# Altium PCB Copy of Board.PcbDoc (part 2 of 4)
Units mm, origin at the board's own origin, x right, y up, seen from the top; angles counter-clockwise.
Board outline 69.6 x 30 mm, 6 copper layers (Top Layer, Int1 (GND), Int2 (Sign), Int3 (Sign), Int4 (PWR), Bottom Layer), stack 1.538 mm thick; 168 components, 266 nets, 1359 pads, 531 vias.
Unrouted connection lines stored in the file: 254.
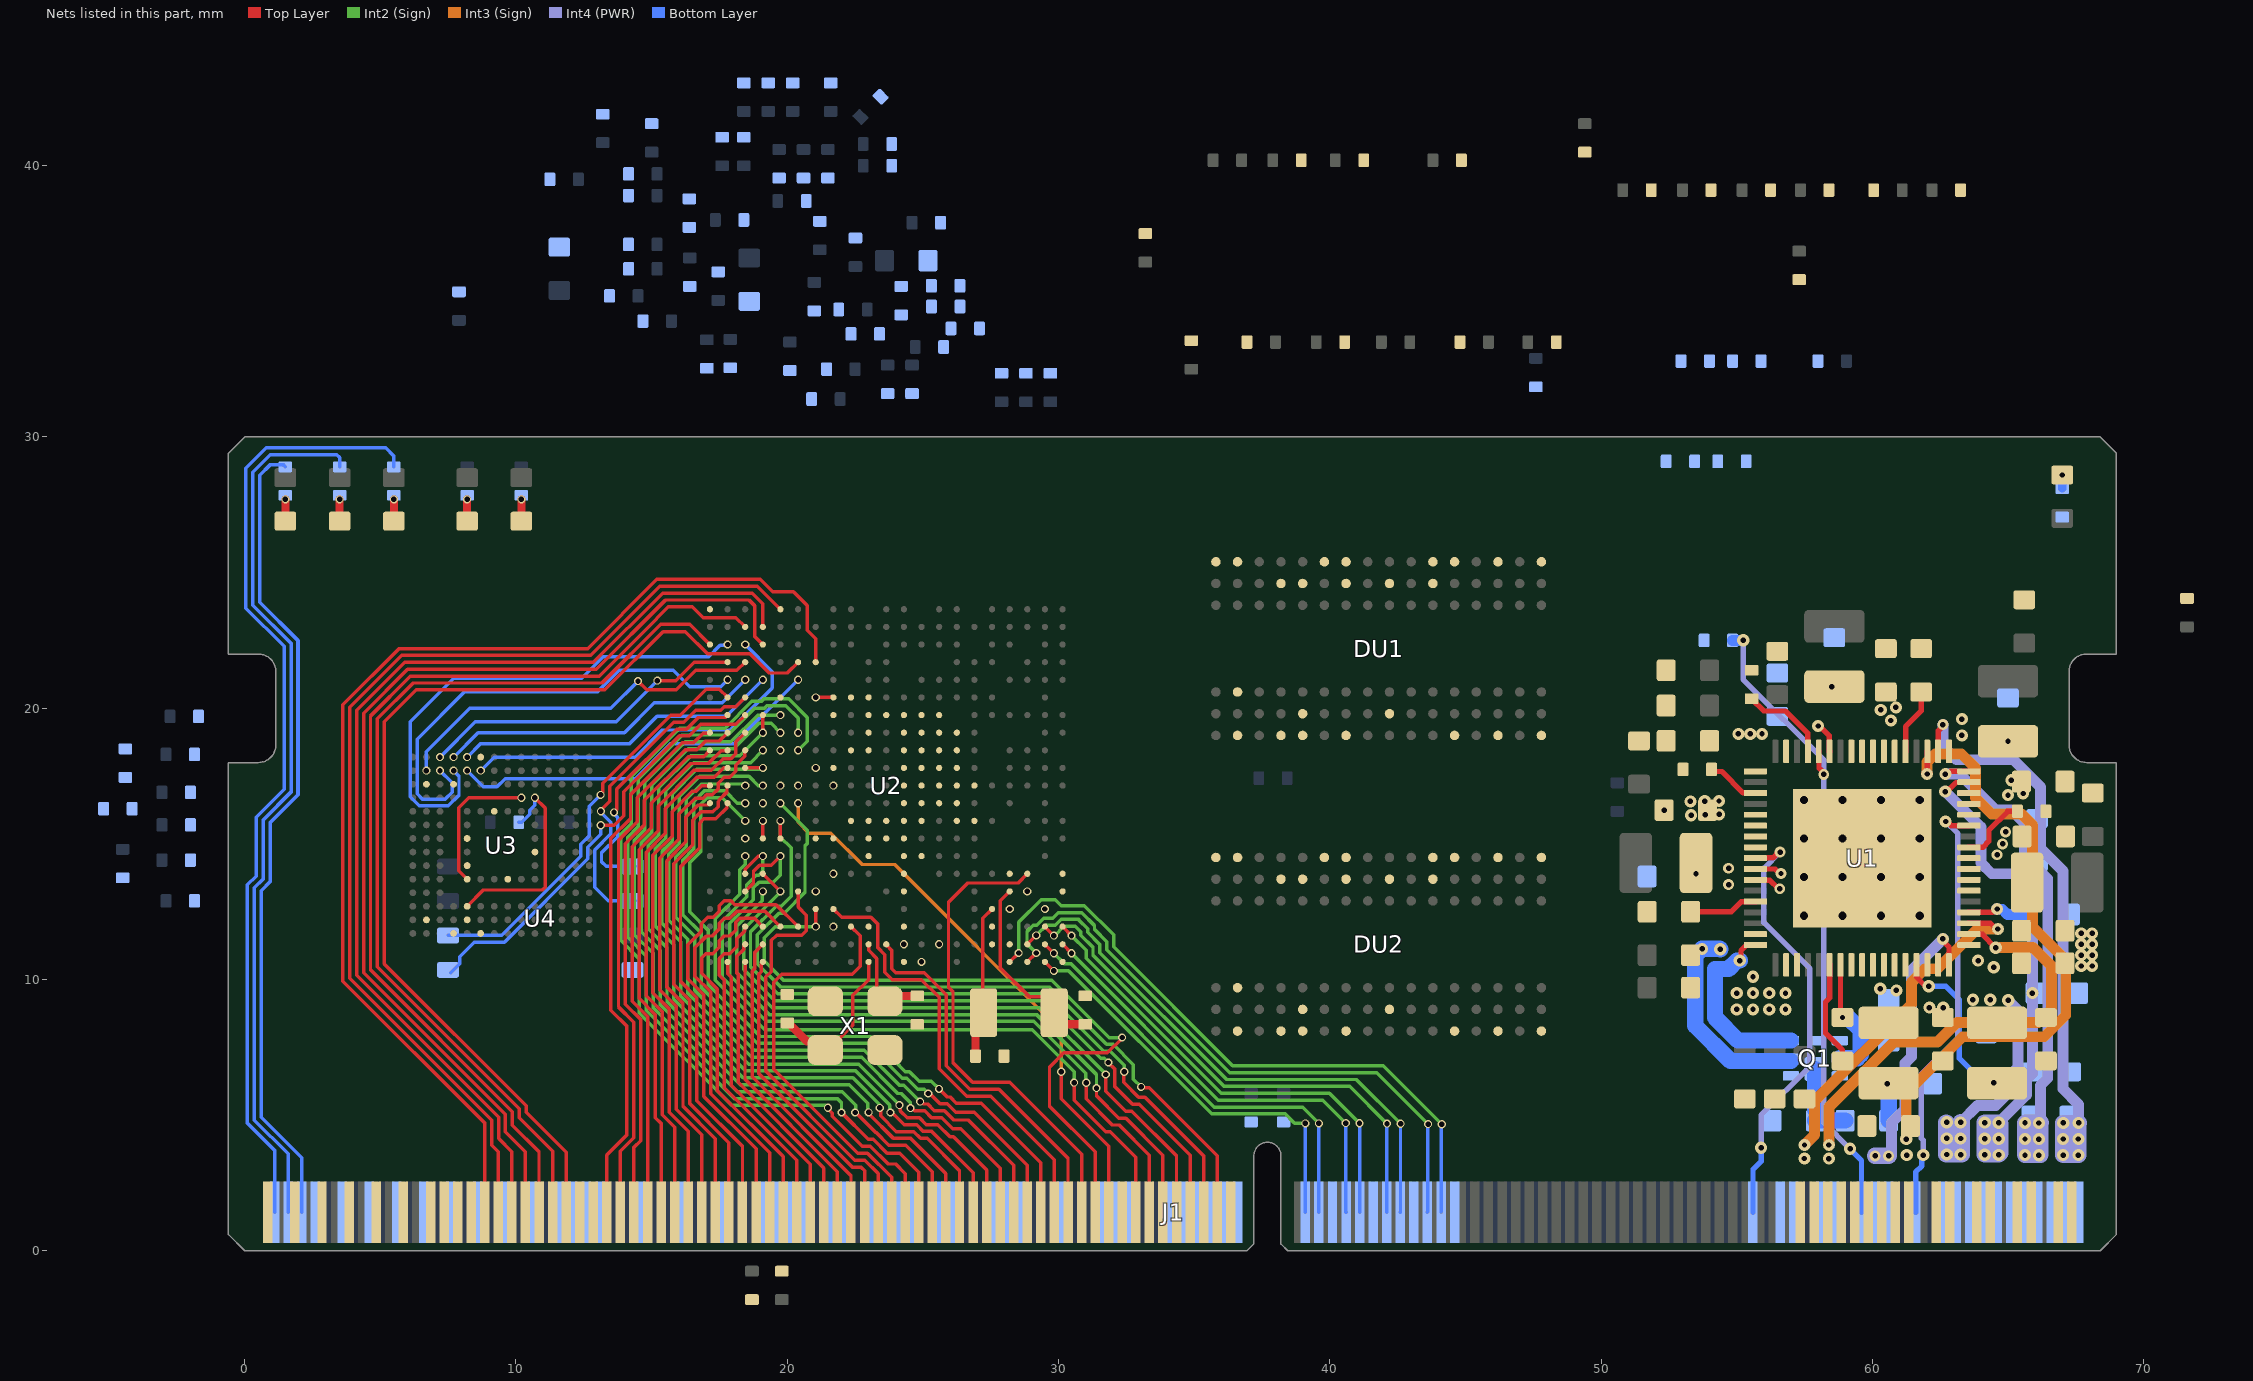
[diagram p5: the nets of this part, all layers, seen from the top]

## Footprints (in the part's own frame and the unit in brackets; to place one, negate y for a bottom-side part, rotate by r counter-clockwise, add the part's x,y. Pads: shape width x height; smd on the part's side, far side on the other; paste and mask are expansions set on the pad) (continued)
H3_FBGA327 [mm]
  round 0.23 smd mask+0: A1(0,0) A2(0.65,0) A3(1.3,0) A4(1.95,0) A5(2.6,0) A7(3.9,0) A8(4.55,0) A10(5.85,0) A11(6.5,0) A13(7.8,0) A14(8.45,0) A16(9.75,0) A17(10.4,0) A19(11.7,0) A20(12.35,0) A21(13,0) AA1(0,-13) AA2(0.65,-13) AA3(1.3,-13) AA5(2.6,-13) AA6(3.25,-13) AA8(4.55,-13) AA9(5.2,-13) AA11(6.5,-13) AA12(7.15,-13) AA14(8.45,-13) AA15(9.1,-13) AA17(10.4,-13) AA18(11.05,-13) AA19(11.7,-13) AA20(12.35,-13) AA21(13,-13) B1(0,-0.65) B2(0.65,-0.65) B3(1.3,-0.65) B4(1.95,-0.65) B5(2.6,-0.65) B6(3.25,-0.65) B7(3.9,-0.65) B8(4.55,-0.65) B9(5.2,-0.65) B10(5.85,-0.65) B11(6.5,-0.65) B12(7.15,-0.65) B13(7.8,-0.65) B14(8.45,-0.65) B15(9.1,-0.65) B16(9.75,-0.65) B17(10.4,-0.65) B18(11.05,-0.65) B19(11.7,-0.65) B20(12.35,-0.65) B21(13,-0.65) C1(0,-1.3) C2(0.65,-1.3) C3(1.3,-1.3) C5(2.6,-1.3) C6(3.25,-1.3) C7(3.9,-1.3) C8(4.55,-1.3) C9(5.2,-1.3) C10(5.85,-1.3) C11(6.5,-1.3) C12(7.15,-1.3) C13(7.8,-1.3) C14(8.45,-1.3) C15(9.1,-1.3) C16(9.75,-1.3) C17(10.4,-1.3) C18(11.05,-1.3) C19(11.7,-1.3) C20(12.35,-1.3) C21(13,-1.3) D1(0,-1.95) D2(0.65,-1.95) D3(1.3,-1.95) D5(2.6,-1.95) D6(3.25,-1.95) D8(4.55,-1.95) D10(5.85,-1.95) D11(6.5,-1.95) D13(7.8,-1.95) D15(9.1,-1.95) D17(10.4,-1.95) D19(11.7,-1.95) D20(12.35,-1.95) E2(0.65,-2.6) E3(1.3,-2.6) E8(4.55,-2.6) E10(5.85,-2.6) E11(6.5,-2.6) E13(7.8,-2.6) E14(8.45,-2.6) E15(9.1,-2.6) E16(9.75,-2.6) E18(11.05,-2.6) E19(11.7,-2.6) E20(12.35,-2.6) E21(13,-2.6) F1(0,-3.25) F2(0.65,-3.25) F3(1.3,-3.25) F5(2.6,-3.25) F6(3.25,-3.25) F7(3.9,-3.25) F8(4.55,-3.25) F10(5.85,-3.25) F11(6.5,-3.25) F13(7.8,-3.25) F14(8.45,-3.25) F16(9.75,-3.25) F17(10.4,-3.25) F18(11.05,-3.25) F19(11.7,-3.25) F20(12.35,-3.25) F21(13,-3.25) G1(0,-3.9) G2(0.65,-3.9) G4(1.95,-3.9) G5(2.6,-3.9) G7(3.9,-3.9) G8(4.55,-3.9) G9(5.2,-3.9) G10(5.85,-3.9) G11(6.5,-3.9) G12(7.15,-3.9) G13(7.8,-3.9) G14(8.45,-3.9) G15(9.1,-3.9) G18(11.05,-3.9) G20(12.35,-3.9) H2(0.65,-4.55) H3(1.3,-4.55) H4(1.95,-4.55) H6(3.25,-4.55) H7(3.9,-4.55) H8(4.55,-4.55) H10(5.85,-4.55) H11(6.5,-4.55) H12(7.15,-4.55) H13(7.8,-4.55) H14(8.45,-4.55) H15(9.1,-4.55) H16(9.75,-4.55) H17(10.4,-4.55) H18(11.05,-4.55) H19(11.7,-4.55) H20(12.35,-4.55) H21(13,-4.55) J1(0,-5.2) J2(0.65,-5.2) J3(1.3,-5.2) J6(3.25,-5.2) J7(3.9,-5.2) J8(4.55,-5.2) J9(5.2,-5.2) J10(5.85,-5.2) J11(6.5,-5.2) J12(7.15,-5.2) J13(7.8,-5.2) J14(8.45,-5.2) J15(9.1,-5.2) J16(9.75,-5.2) J19(11.7,-5.2) J20(12.35,-5.2) J21(13,-5.2) K1(0,-5.85) K2(0.65,-5.85) K3(1.3,-5.85) K4(1.95,-5.85) K6(3.25,-5.85) K7(3.9,-5.85) K8(4.55,-5.85) K9(5.2,-5.85) K10(5.85,-5.85) K11(6.5,-5.85) K12(7.15,-5.85) K13(7.8,-5.85) K14(8.45,-5.85) K15(9.1,-5.85) K16(9.75,-5.85) K17(10.4,-5.85) K18(11.05,-5.85) K20(12.35,-5.85) L2(0.65,-6.5) L5(2.6,-6.5) L8(4.55,-6.5) L9(5.2,-6.5) L10(5.85,-6.5) L11(6.5,-6.5) L12(7.15,-6.5) L13(7.8,-6.5) L14(8.45,-6.5) L15(9.1,-6.5) L16(9.75,-6.5) L17(10.4,-6.5) L18(11.05,-6.5) L19(11.7,-6.5) L20(12.35,-6.5) L21(13,-6.5) M1(0,-7.15) M2(0.65,-7.15) M3(1.3,-7.15) M4(1.95,-7.15) M5(2.6,-7.15) M6(3.25,-7.15) M7(3.9,-7.15) M8(4.55,-7.15) M9(5.2,-7.15) M10(5.85,-7.15) M11(6.5,-7.15) M12(7.15,-7.15) M13(7.8,-7.15) M14(8.45,-7.15) M15(9.1,-7.15) M16(9.75,-7.15) M19(11.7,-7.15) M20(12.35,-7.15) M21(13,-7.15) N1(0,-7.8) N2(0.65,-7.8) N3(1.3,-7.8) N7(3.9,-7.8) N8(4.55,-7.8) N9(5.2,-7.8) N10(5.85,-7.8) N11(6.5,-7.8) N12(7.15,-7.8) N13(7.8,-7.8) N14(8.45,-7.8) N15(9.1,-7.8) N16(9.75,-7.8) N17(10.4,-7.8) N19(11.7,-7.8) N20(12.35,-7.8) P2(0.65,-8.45) P3(1.3,-8.45) P6(3.25,-8.45) P7(3.9,-8.45) P8(4.55,-8.45) P9(5.2,-8.45) P10(5.85,-8.45) P11(6.5,-8.45) P12(7.15,-8.45) P13(7.8,-8.45) P14(8.45,-8.45) P15(9.1,-8.45) P16(9.75,-8.45) P17(10.4,-8.45) P19(11.7,-8.45) P20(12.35,-8.45) P21(13,-8.45) R1(0,-9.1) R2(0.65,-9.1) R6(3.25,-9.1) R7(3.9,-9.1) R8(4.55,-9.1) R9(5.2,-9.1) R10(5.85,-9.1) R11(6.5,-9.1) R12(7.15,-9.1) R13(7.8,-9.1) R14(8.45,-9.1) R16(9.75,-9.1) R17(10.4,-9.1) R18(11.05,-9.1) R19(11.7,-9.1) R20(12.35,-9.1) R21(13,-9.1) T2(0.65,-9.75) T3(1.3,-9.75) T4(1.95,-9.75) T5(2.6,-9.75) T6(3.25,-9.75) T7(3.9,-9.75) T8(4.55,-9.75) T9(5.2,-9.75) T10(5.85,-9.75) T11(6.5,-9.75) T12(7.15,-9.75) T13(7.8,-9.75) T14(8.45,-9.75) T15(9.1,-9.75) T16(9.75,-9.75) T17(10.4,-9.75) T18(11.05,-9.75) T20(12.35,-9.75) U2(0.65,-10.4) U3(1.3,-10.4) U4(1.95,-10.4) U6(3.25,-10.4) U9(5.2,-10.4) U11(6.5,-10.4) U15(9.1,-10.4) U16(9.75,-10.4) U18(11.05,-10.4) U19(11.7,-10.4) U20(12.35,-10.4) U21(13,-10.4) V1(0,-11.05) V2(0.65,-11.05) V3(1.3,-11.05) V4(1.95,-11.05) V5(2.6,-11.05) V6(3.25,-11.05) V10(5.85,-11.05) V11(6.5,-11.05) V12(7.15,-11.05) V13(7.8,-11.05) V15(9.1,-11.05) V17(10.4,-11.05) V19(11.7,-11.05) V20(12.35,-11.05) V21(13,-11.05) W1(0,-11.7) W2(0.65,-11.7) W3(1.3,-11.7) W5(2.6,-11.7) W6(3.25,-11.7) W9(5.2,-11.7) W11(6.5,-11.7) W12(7.15,-11.7) W13(7.8,-11.7) W15(9.1,-11.7) W17(10.4,-11.7) W18(11.05,-11.7) W20(12.35,-11.7) W21(13,-11.7) Y1(0,-12.35) Y2(0.65,-12.35) Y3(1.3,-12.35) Y4(1.95,-12.35) Y7(3.9,-12.35) Y8(4.55,-12.35) Y9(5.2,-12.35) Y10(5.85,-12.35) Y11(6.5,-12.35) Y12(7.15,-12.35) Y13(7.8,-12.35) Y14(8.45,-12.35) Y15(9.1,-12.35) Y16(9.75,-12.35) Y17(10.4,-12.35) Y18(11.05,-12.35) Y19(11.7,-12.35) Y20(12.35,-12.35) Y21(13,-12.35)
  silkscreen extent -1.5,-13.67 13.67,1.3
L2520 [mm]
  rrect25% 1.2x2.22 smd: 1(0,0) 2(2.22,0)
  silkscreen extent 0.92,-1.1 1.3,1.1
LED0603_GREEN [mm]
  rrect25% 0.7x0.8 smd: 1(0,0) 2(1.6,0)
  silkscreen extent -0.7,-0.8 2.3,0.8
LED0603_RED [mm]
  rrect25% 0.7x0.8 smd: 1(0,0) 2(1.6,0)
  silkscreen extent -0.7,-0.8 2.3,0.8
LED0603_YELLOW [mm]
  rrect25% 0.7x0.8 smd: 1(0,0) 2(1.6,0)
  silkscreen extent -0.7,-0.8 2.3,0.8
R0402 [mm]
  rrect25% 0.4x0.5 smd: 1(0,0) 2(1.05,0)
  silkscreen extent -0.5,-0.5 1.5,0.5
R0603 [mm]
  rrect25% 0.7x0.8 smd: 1(0,0) 2(1.6,0)
  silkscreen extent -0.7,-0.8 2.3,0.8
SMD3225 [mm]
  rrect50% 1.3x1.1 smd: 1(0,0) 2(2.2,1.8) 3(0,1.8) 3(2.2,0)
  silkscreen extent -0.9,-0.8 3.1,2.6
W25Q64JVSSIQ [mm]
  rrect25% 0.8x0.58 smd: 1(0.1,0) 2(0.1,-1.27) 3(0.1,-2.54) 4(0.1,-3.81) 5(6.9,-3.81) 6(6.9,-2.54) 7(6.9,-1.27) 8(6.9,0)
  silkscreen extent -0.2,-4.59 6.19,1.2
WPM1481 [mm]
  rrect25% 0.35x0.6 smd: 1(0,-1.8) 2(0.65,-1.8) 3(1.3,-1.8) 4(1.3,0) 5(0.65,0) 6(0,0)
  rrect25% 0.35x0.56 smd: 7(1.3,-0.9)
  rrect25% 0.9x0.8 smd: 8(0.25,-0.9)
  silkscreen extent -0.82,-1.9 -0.63,-1.7

## Part data
C1 C2 C3 C5 C25 C35 C36 C40 C41 C53 C61 C63 C67 C69 C71 C72 C73 C78 C85 C86 C97 C98 C104 C105 C118: library part C_1UF
C4 C7 C9 C10 C11 C12 C13 C17 C18 C19 C23 C24 C27 C28 C31 C32 C33 C34 C39 C44 C46 C47 C65 C84 C96 C103: library part C_10UF
C6 C8 C20 C48 C49 C50 C51 C52 C55 C68: library part C_4.7UF
C14 C15 C16 C30 C45: library part C_1NF
C21 C22: library part C_22UF
C26 C29 C37 C38 C42 C43 C54 C60 C62 C64 C66 C70 C74 C75 C76 C77 C79 C80 C81 C82 C83 C87 C88 C89 C90 C91 C92 C93 C94 C95 C99 C100 C101 C102 C106 C107 C108 C109 C110 C111 C112 C113 C114 C115 C116 C117: library part C_0.1UF
C56 C57: library part C_5PF
C58 C59: library part C_15PF
L1: library part L_1.5UH
L2 L3 L4 L5 L6: library part L_2.2UH
R1 R3 R4 R8 R27 R28: library part R_330R
R2 R16 R17: library part R_10K_P1
R5 R7: library part R_2.2K
R6 R10 R12: library part R_0R
R9: library part R_51K
R11: library part R_2R_P1
R13: library part R_47K
R14: library part R_100K_P1
R15: library part R_220K_P1
R18: library part R_33R
R19 R20 R21 R22 R23: library part R_240R_P1
R24 R25: library part R_2K_P1
R26: library part R_100R
X1: library part X_24MHZ
X2: library part X_32768HZ

## Via types
v1: diameter 0.3, hole 0.2, Top Layer to Bottom Layer, tented both sides, 363 vias
v2: diameter 0.45, hole 0.2, Top Layer to Bottom Layer, tented both sides, 117 vias
v3: diameter 0.4, hole 0.2, Top Layer to Bottom Layer, tented both sides, 35 vias
v4: diameter 0.8, hole 0.3, Top Layer to Bottom Layer, 16 vias

## Nets (pads, with @x,y where several pads share a name; then routed paths per layer and width w, separated by ;. In a path a pad name is that pad's centre, name@x,y a point inside that pad or via, vN(x,y) a via of type N, cw(c..) or ccw(c..) an arc to the next point about the centre after c; other vN are vias at no path point)
EMMC_CMD: R17.1 U2.E16 U3.M5 | length 7.8
  Top Layer w0.127: U3.M5@8.2,12.7 8.8,13.3 10.977,13.3 11.075,13.399 11.075,16.325 v1(10.7,16.7)
  Bottom Layer w0.127: R17.1@10.1,15.8 10.213,15.8 10.51,16.096 10.51,16.242 10.7,16.432 v1(10.7,16.7)
EMMC_D0: U2.B18 U3.A3 | length 12.1
  Top Layer w0.127: v1(15.212,21.018) 15.888,21.018 16.57,21.7 U2.B18@17.8,21.7
  Bottom Layer w0.127: v1(7.2,18.2) 8.501,19.501 13.699,19.501 v1(15.212,21.018) v1(15.212,21.018)
EMMC_D1: U2.C17 U3.A4 | length 11.9
  Bottom Layer w0.127: v1(7.7,18.2) 8.6,19.1 14,19.1 15.1,20.2 17.6,20.2 v1(18.45,21.05)
EMMC_D2: U2.D17 U3.A5 | length 12.1
  Bottom Layer w0.127: v1(8.2,18.2) 8.7,18.7 14.2,18.7 15.2,19.7 17.75,19.7 v1(19.1,21.05)
EMMC_D3: U2.C18 U3.B2 | length 14.1
  Top Layer w0.127: v1(14.5,21) 14.823,20.677 15.906,20.677 16.623,21.395 18.145,21.395 U2.C18@18.45,21.7
  Bottom Layer w0.127: v1(6.7,17.7) 6.7,18.4 8.3,20 13.5,20 v1(14.5,21)
EMMC_D4: U2.B17 U3.B3 | length 17.3
  Bottom Layer w0.127: v1(7.2,17.7) 7.646,17.254 7.646,16.905 7.395,16.654 6.546,16.654 6.354,16.846 6.354,18.854 8.1,20.6 13,20.6 13.8,21.4 15.8,21.4 16.4,20.8 17.55,20.8 v1(17.8,21.05)
EMMC_D5: U2.B19 U3.B4 | length 18.7
  Bottom Layer w0.127: v1(7.7,17.7) 7.9,17.5 7.9,16.8 7.5,16.4 6.441,16.4 6.1,16.741 6.1,19.5 7.7,21.1 12.42,21.1 13.22,21.9 17.1,21.9 17.522,22.322 17.778,22.322 v1@17.8,22.3
  other v1: 17.8,22.35
EMMC_D6: U2.F17 U3.B5 | length 14.1
  Bottom Layer w0.127: v1(8.2,17.7) 8.8,17.1 9.3,17.1 9.6,17.4 14.4,17.4 15.7,18.7 18.05,18.7 v1(20.4,21.05)
EMMC_D7: U2.C19 U3.B6 | length 14
  Bottom Layer w0.127: v1(8.7,17.7) 9.2,18.2 14.4,18.2 15.4,19.2 17.9,19.2 19.447,20.747 19.447,21.353 v1(18.45,22.35)
EMMC_RST: U2.H16 U3.K5 | length 5.9
  Top Layer w0.127: U3.K5@8.2,13.7 7.884,14.015 7.884,16.331 8.254,16.7 v1(10.2,16.7) ; v1(21.05,20.4) U2.H16@21.7,20.4
FLASH_CLK: U2.B16 U4.6 | length 15.3
  Top Layer w0.127: v1(13.119,16.809) 13.206,16.896 13.206,17.235 15.713,19.741 16.051,19.741 17.015,20.706 17.494,20.706 U2.B16@17.8,20.4
  Bottom Layer w0.127: U4.6@7.495,11.63 9.471,11.63 12.392,14.551 12.392,14.985 12.7,15.293 12.7,16.39 v1(13.119,16.809)
FLASH_CS: R16.2 U2.B15 U4.1 | length 9.6
  Top Layer w0.127: v1(13.613,16.161) 13.714,16.261 13.714,17.024 15.923,19.233 16.288,19.233 16.714,19.659 17.709,19.659 U2.B15@17.8,19.75
  Bottom Layer w0.127: v1(13.613,16.161) 13.613,16.114 13.754,15.974 13.754,15.269 13.154,14.669 13.154,14.346 13.33,14.17 U4.1@14.4,14.17
FLASH_MISO: U2.C16 U4.2 | length 12.3
  Top Layer w0.127: v1(13.133,16.204) 13.133,16.245 13.46,16.573 13.46,17.129 15.818,19.487 16.183,19.487 16.621,19.926 17.544,19.926 17.673,20.056 18.106,20.056 U2.C16@18.45,20.4
  Bottom Layer w0.127: v1(13.133,16.204) 13.133,16.16 13.5,15.793 13.5,15.374 12.9,14.774 12.9,13.4 13.4,12.9 U4.2@14.4,12.9
FLASH_MOSI: U2.C15 U4.5 | length 15.9
  Top Layer w0.127: v1(13.126,15.686) 13.62,15.686 13.968,16.034 13.968,16.919 16.028,18.979 16.393,18.979 16.819,19.405 18.105,19.405 U2.C15@18.45,19.75
  Bottom Layer w0.127: U4.5@7.593,10.257 7.923,10.586 7.923,10.84 8.458,11.376 9.576,11.376 12.646,14.446 12.646,14.88 13.125,15.359 v1(13.126,15.686)
GND: C1.2 C2.2 C4.1 C6.2 C7.1 C8.2 C9.1 C10.2 C11.2 C12.2 C13.1 C14.2 C15.2 C16.2 C17.2 C18.2 C19.2 C20.2 C21.1 C22.1 C23.1 C24.1 C25.1 C26.1 C27.2 C28.2 C29.1 C30.2 C31.2 C32.2 C33.2 C34.1 C35.1 C36.1 C37.1 C38.1 C39.1 C40.1 C41.1 C42.1 C43.1 C44.2 C45.2 C46.2 C47.2 C48.1 C49.1 C50.1 C51.1 C52.1 C53.1 C54.1 C55.1 C56.2 C57.2 C58.2 C59.2 C60.1 C61.1 C62.1 C63.1 C64.1 C65.2 C66.2 C67.2 C68.2 C69.1 C70.1 C71.2 C72.1 C73.1 C74.1 C75.1 C76.1 C77.1 C78.1 C79.1 C81.1 C82.1 C83.1 C84.1 C85.1 C86.2 C87.1 C88.1 C89.1 C90.1 C91.1 C92.1 C93.1 C94.1 C95.1 C96.1 C97.1 C98.2 C99.1 C100.1 C101.1 C102.1 C103.1 C104.1 C105.2 C106.1 C107.1 C108.1 C109.1 C110.1 C111.1 C112.1 C113.1 C114.1 C115.1 C116.1 C117.1 C118.1 DU1.A9 DU1.B1 DU1.B3 DU1.B9 DU1.D1 DU1.D8 DU1.E1 DU1.E2 DU1.E8 DU1.F9 DU1.G1 DU1.G8 DU1.G9 DU1.J2 DU1.J8 DU1.M1 DU1.M9 DU1.P1 DU1.P9 DU1.T1 DU1.T9 DU2.A9 DU2.B1 DU2.B3 DU2.B9 DU2.D1 DU2.D8 DU2.E1 DU2.E2 DU2.E8 DU2.F9 DU2.G1 DU2.G8 DU2.G9 DU2.J2 DU2.J8 DU2.M1 DU2.M9 DU2.P1 DU2.P9 DU2.T1 DU2.T9 J1.1 J1.5 J1.8 J1.9 J1.12 J1.13 J1.16 J1.17 J1.20 J1.21 J1.24 J1.25 J1.27 J1.28 J1.29 J1.31 J1.32 J1.36 J1.40 J1.44 J1.46 J1.47 J1.48 J1.49 J1.50 J1.56 J1.62 J1.68 J1.74 J1.76 J1.102 J1.108 J1.112 J1.118 J1.124 J1.127 J1.128 J1.134 J1.138 J1.142 J1.144 J1.150 J1.156 J1.162 J1.168 J1.219 J1.221 J1.223 J1.225 J1.227 J1.229 J1.231 J1.240 J1.242 J1.244 J1.246 J1.248 J1.250 J1.252 J1.254 J1.256 J1.258 J1.260 R1.2 R2.1 R12.1 R15.2 R19.1 R20.1 R21.1 R22.1 R23.1 R25.1 U1.6 U1.15 U1.26 U1.27 U1.42 U1.59 U1.66 U1.69 U2.A21 U2.AA1 U2.G8 U2.H8 U2.H12 U2.H15 U2.J9 U2.J13 U2.J16 U2.K7 U2.K8 U2.K9 U2.K13 U2.K14 U2.K15 U2.K16 U2.L8 U2.L9 U2.L15 U2.M5 U2.M7 U2.M8 U2.M9 U2.M10 U2.M11 U2.M12 U2.M13 U2.M14 U2.M15 U2.N7 U2.N9 U2.N10 U2.N11 U2.N12 U2.N13 U2.N14 U2.N15 U2.P10 U2.P11 U2.P12 U2.P13 U2.P14 U2.P15 U2.R9 U2.R10 U2.R11 U2.R12 U2.R13 U2.R14 U2.T9 U2.T11 U2.U3 U3.A6 U3.C4 U3.E7 U3.G5 U3.H10 U3.J5 U3.K8 U3.N2 U3.N5 U3.P4 U3.P6 U4.4 X1.3
  other v2: 67.7,10.5 68.1,10.5 67.7,10.9 68.1,10.9 67.7,11.3 68.1,11.3 67.7,11.7 68.1,11.7 52.323,16.244
  other v3: 54.7,13.5 54.7,14.1
  other v4: 57.475,12.35 58.9,12.35 60.325,12.35 61.75,12.35 57.475,13.775 58.9,13.775 60.325,13.775 61.75,13.775 57.475,15.2 58.9,15.2 60.325,15.2 61.75,15.2 57.475,16.625 58.9,16.625 60.325,16.625 61.75,16.625
LED_DISK: J1.4 R4.2 U2.M6 | length 32.8
  Bottom Layer w0.13: J1.4@1.6,1.422 1.6,3.574 0.357,4.818 0.357,13.385 0.678,13.706 0.678,15.883 1.708,16.913 1.708,22.392 0.3,23.8 0.3,28.7 0.943,29.343 3.4,29.343 3.5,29.243 R4.2@3.5,28.9
LED_ERROR: J1.6 R8.2 U2.V2 | length 30.1
  Bottom Layer w0.13: R8.2@1.5,28.9 1.431,28.969 0.931,28.969 0.557,28.594 0.557,23.906 1.965,22.498 1.965,16.807 0.935,15.777 0.935,13.6 0.613,13.278 0.613,4.924 2.1,3.437 J1.6@2.1,1.422
LED_IDENT: J1.2 R3.2 U2.U2 | length 35.3
  Bottom Layer w0.13: J1.2@1.1,1.422 1.1,3.712 0.1,4.712 0.1,13.491 0.422,13.812 0.422,15.989 1.452,17.02 1.452,22.285 0.043,23.694 0.043,28.843 0.8,29.6 5.2,29.6 5.5,29.3 R3.2@5.5,28.9
NetC1_1: C1.1 U1.47 | length 2.5
  Top Layer w0.2: C1.1@53.3,12.5 54.8,12.5 55.175,12.875 U1.47@55.69,12.875
NetC2_1: C2.1 U1.35
NetC3_1: C3.1 C4.2 C5.2 Q1.1 Q1.2 Q1.5 Q1.6 Q1.8 R6.1 R10.2 U1.50 U1.58 | length 14.9
  Top Layer w0.2: U1.58@58.825,10.54 58.825,8.675 v2(58.9,8.6)
  Bottom Layer w0.6: v2(54.395,11.114) 54.378,11.131 v2(53.725,11.131) 53.471,10.877 53.471,8.301 54.772,7 Q1.2@57,7 ; C4.2@57.9,4.8 R10.2@59,4.8 ; C4.2@57.9,5.2 Q1.8@57.9,6.7 ; Q1.5@58.8,7.1 59.45,7.1 59.575,7.225 59.575,8.125 59.1,8.6 v2(58.9,8.6)
NetC5_1: C5.1 C7.2 L1.1 R10.1 U1.57 | length 5.3
  Top Layer w0.2: U1.57@58.425,10.54 58.425,9.325 58.273,9.173 58.273,8.027 58.9,7.4 C5.1@58.9,7
  Bottom Layer w0.2: v2(60.546,6.16) C7.2@60.609,6.097 ; R10.1@60.6,4.8 R10.1@60.609,4.809
  Bottom Layer w0.6: R10.1@60.609,4.809 C7.2@60.609,6.097
NetC6_1: C6.1 U1.37 | length 1.9
  Top Layer w0.2: C6.1@54.1,17.669 54.451,17.669 55.235,16.885 55.68,16.885 U1.37@55.69,16.875
NetC8_1: C8.1 U1.31 | length 3.3
  Top Layer w0.2: C8.1@55.5,20.35 C8.1@55.55,20.35 56,19.9 56.8,19.9 57.625,19.075 U1.31@57.625,18.41
NetC9_2: C9.2 U1.62 U1.63
  other v2: 60.887,9.601 60.293,9.659
NetC13_2: C13.2 U1.22 | length 2.4
  Top Layer w0.2: U1.22@61.225,18.41 61.225,19.325 61.8,19.9 C13.2@61.8,20.6
NetC14_1: C14.1 L2.1 U1.14
  other v2: 65,18.78
NetC15_1: C15.1 L3.1 U1.24 U1.25
  other v2: 58.5,20.8
NetC16_1: C16.1 L4.1 U1.7 U1.8
NetC17_1: C17.1 C18.1 C19.1 C31.1 C32.1 C33.1 C46.1 C47.1 Q1.4 Q1.7 U1.1 U1.9 U1.13 U1.18 U1.23 U1.33 U1.39 U1.53 U1.54 U1.64
  other v2: 55,8.9 55.6,8.9 56.2,8.9 56.8,8.9 62.103,8.966 62.613,8.961 55,9.5 55.6,9.5 56.2,9.5 56.8,9.5 55.6,10.1 64.478,10.452 63.9,10.7 53.317,16.059 53.841,16.074 54.352,16.088 53.294,16.567 53.822,16.576 54.348,16.581 65,16.8 65.557,16.858 65.127,17.348 63.3,19 55.063,19.056 55.497,19.056 55.932,19.056 60.683,19.549 63.3,19.6 60.313,19.94 60.868,20.032
  other v3: 64.6,14.6 64.8,15 64.911,15.442
NetC20_1: C20.1 U1.4 | length 2.3
  Top Layer w0.2: U1.4@63.56,12.475 64.431,12.475 64.556,12.6 v2(64.6,12.6)
  Bottom Layer w0.4: v2(64.6,12.6) 64.61,12.59 64.789,12.59 64.98,12.4 C20.1@65.7,12.4
NetC30_1: C30.1 L5.1 U1.40 U1.41
  other v2: 53.5,13.9
NetC44_1: C44.1 J1.239 J1.241 L6.2 U1.67 | length 8.9
  Int4 (PWR) w0.4: v2(63.253,4.733) 63.258,4.737 63.882,5.361 64.551,5.361 65.15,5.961 65.15,6.537 65.373,6.76 65.373,8.864 65.012,9.225 v2(65.012,9.239)
  Int4 (PWR) w0.6: v2@62.725,4.729 62.725,3.551 v2(62.74,3.551) v2@63.286,3.551 ; v2@63.258,4.737 63.294,4.737 v2@63.294,3.551
  other v2: 63.253,3.547 62.74,4.144 63.253,4.14 62.74,4.737 63.708,9.256 64.349,9.256
NetC45_1: C45.1 L6.1 U1.65 | length 5.8
  Top Layer w0.2: U1.65@61.625,10.54 61.635,10.53 61.635,10.085 61.93,9.79 62.038,9.79 v2(62.077,9.752)
  Bottom Layer w0.2: v2(62.077,9.752) 62.714,9.752 63.2,9.266 63.2,7.1 63.9,6.4 C45.1@64.2,6.4
  other v2: 64.48,6.2
NetC48_2: C48.2 J1.233 J1.235 U1.20 | length 23.3
  Top Layer w0.2: v2(62.02,17.577) 62.02,18.405 U1.20@62.025,18.41
  Int3 (Sign) w0.4: v2(61.252,4.118) 61.252,5.807 63.335,7.89 66.335,7.89 67.127,8.682 67.127,10.718 65.9,11.945 65.9,15.7 65.5,16.1 64.4,16.1 63.8,16.7 63.8,17.8 63.28,18.32 62.32,18.32 62.02,18.02 v2(62.02,17.577)
  other v2: 61.269,3.528
NetC49_2: C49.2 J1.245 J1.247 U1.16 | length 19.1
  Top Layer w0.2: v2(62.687,16.93) 62.755,16.93 63.09,17.265 U1.16@63.55,17.265